# KiCad board FrontEnd_5G.kicad_pcb (continued)
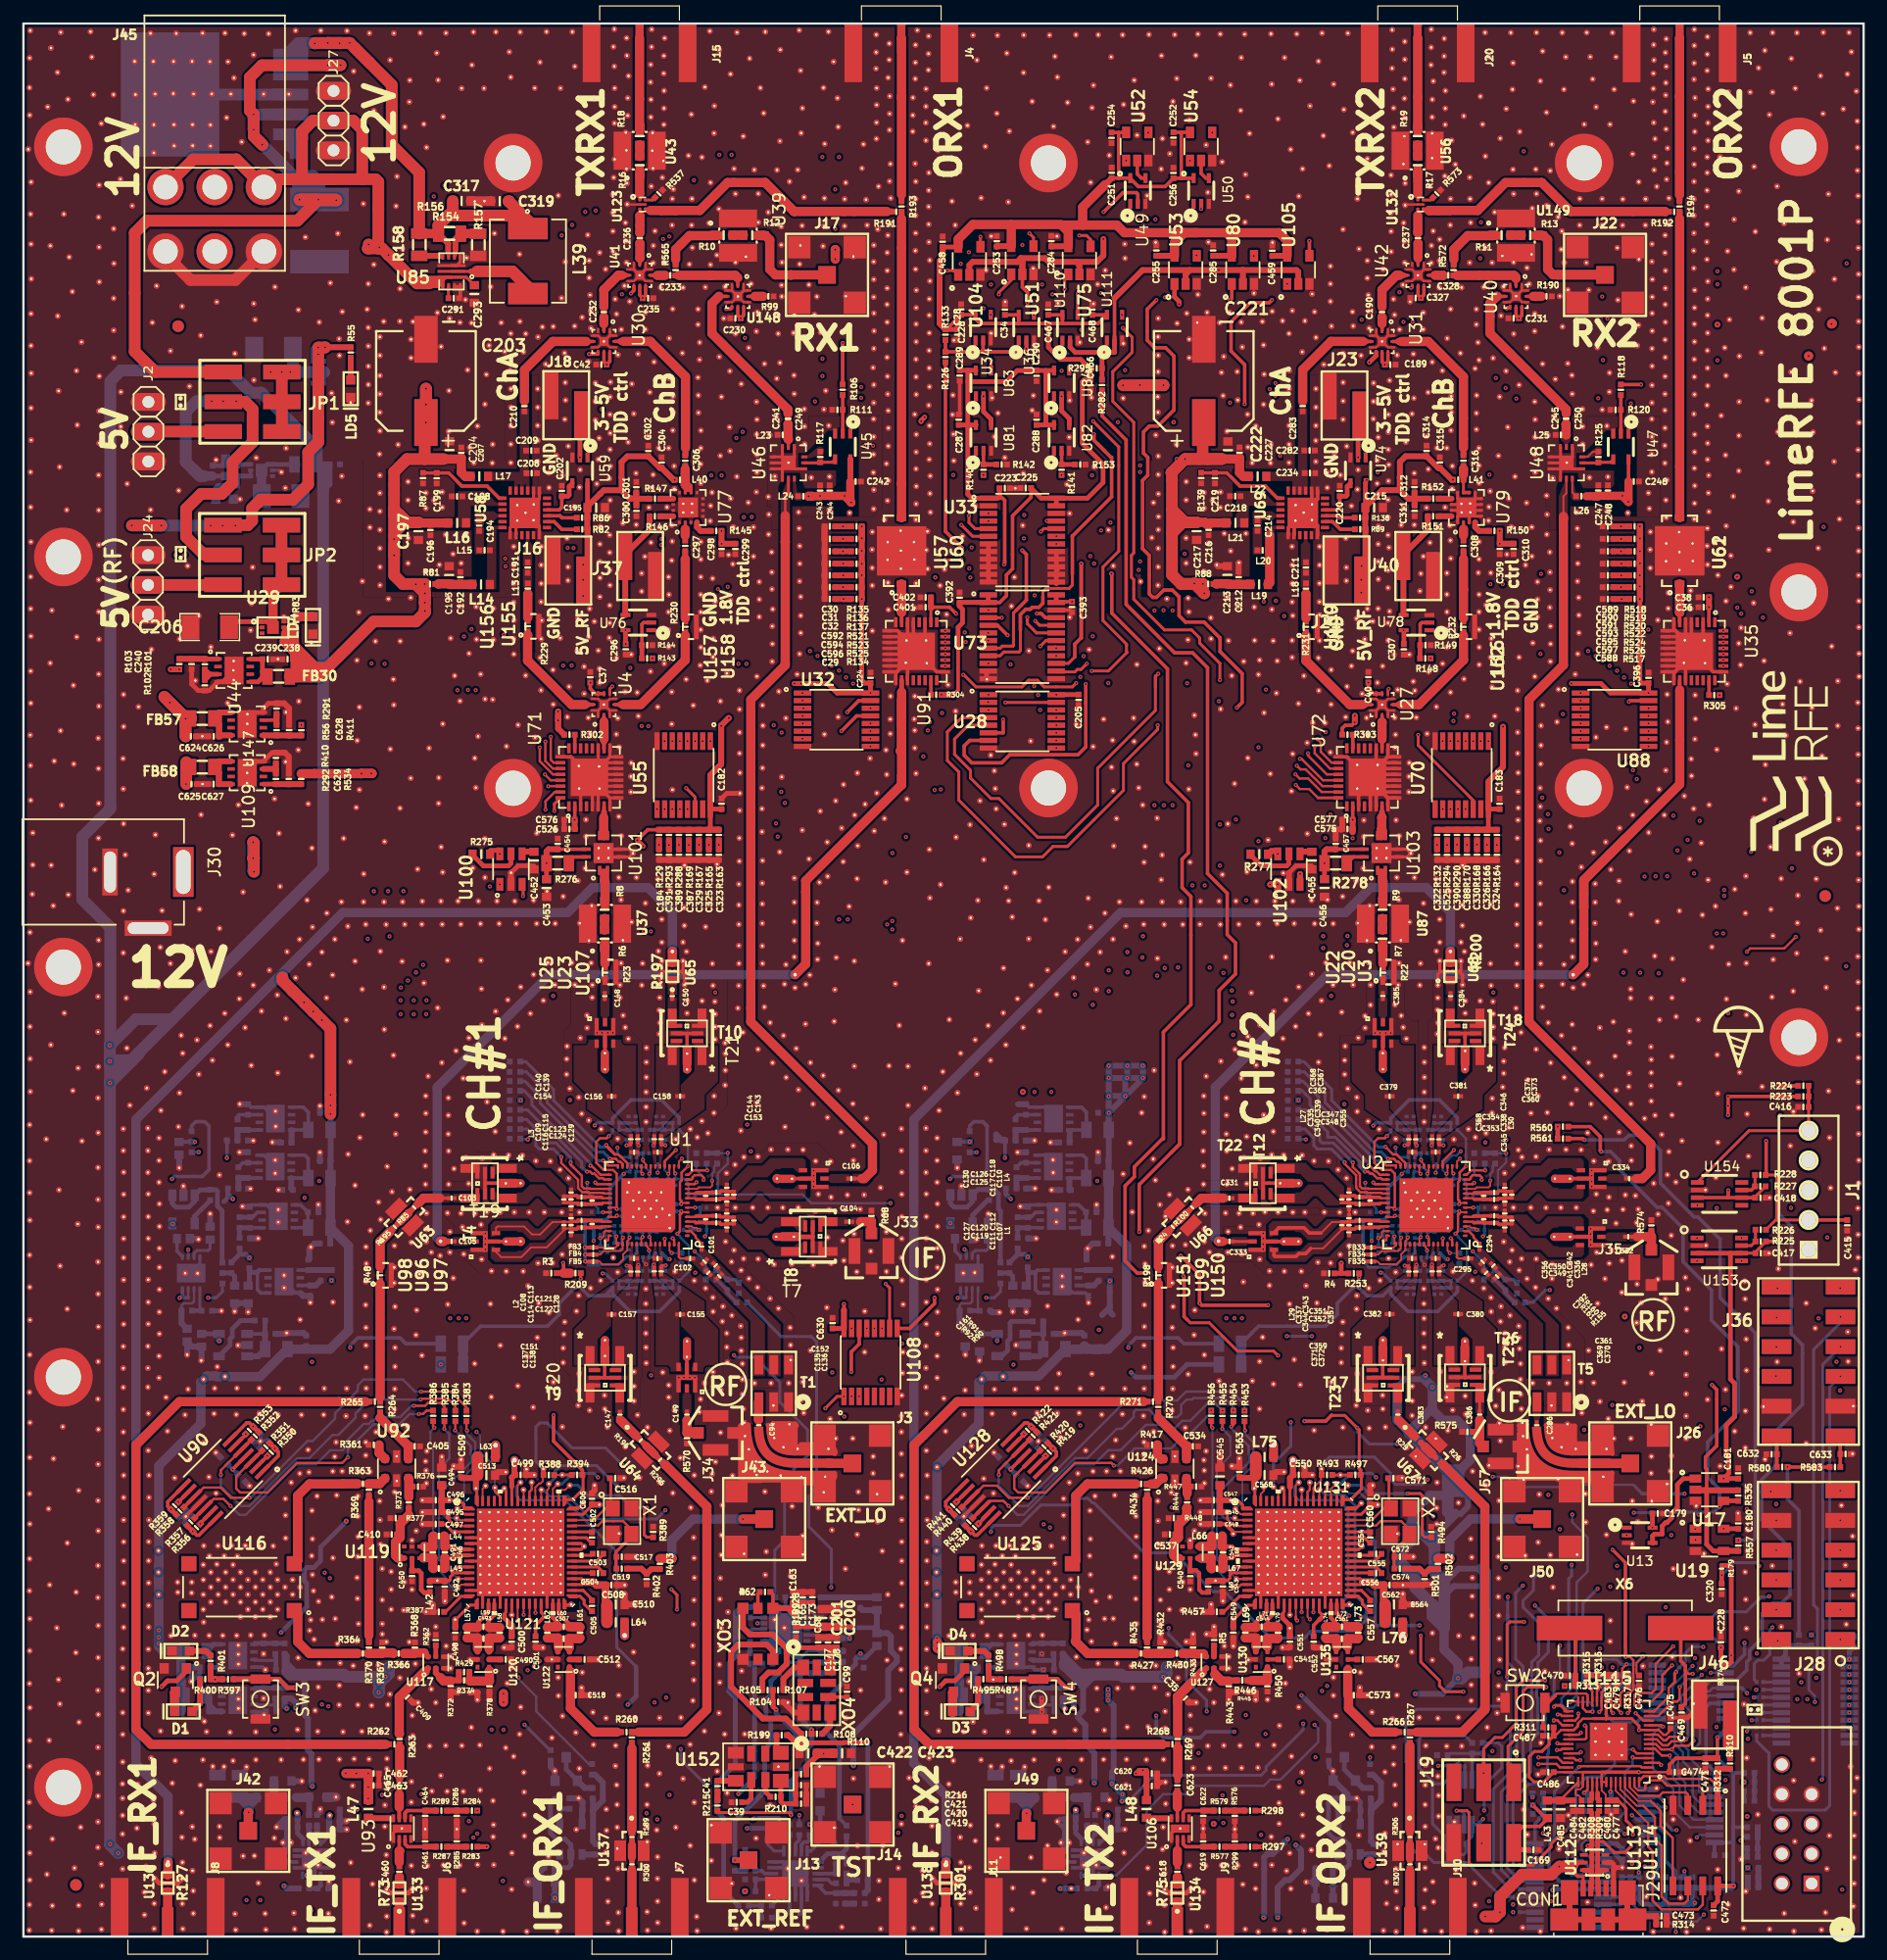
[diagram p0: board, top side]
## Placement (name value [footprint] x y rotation side) (continued)
Ref**#3093  Val**  [VIA_600_400]  3.7 121.75 0 top
Ref**#3094  Val**  [VIA_600_400]  2.63 100.32 0 top
Ref**#3095  Val**  [VIA_600_400]  4.3 100.07 0 top
Ref**#3096  Val**  [VIA_600_400]  4.55 110.91 0 top
Ref**#3097  Val**  [VIA_600_400]  4.27 106.78 0 top
Ref**#3098  Val**  [VIA_600_400]  2.43 113.18 0 top
Ref**#3099  Val**  [VIA_600_400]  3.17 102.91 0 top
Ref**#3100  Val**  [VIA_600_400]  3.27 96.55 0 top
Ref**#3101  Val**  [VIA_600_400]  3.8 156.79 0 top
Ref**#3102  Val**  [VIA_600_400]  5.84 160.4 0 top
Ref**#3103  Val**  [VIA_600_400]  3.19 162.51 0 top
Ref**#3104  Val**  [VIA_600_400]  11.01 137.74 0 top
Ref**#3105  Val**  [VIA_600_400]  2.07 156.15 0 top
Ref**#3106  Val**  [VIA_600_400]  15.14 136.64 0 top
Ref**#3107  Val**  [VIA_600_400]  19.78 137.99 0 top
Ref**#3108  Val**  [VIA_600_400]  81.07 25.7 0 bottom
Ref**#3109  Val**  [VIA_600_400]  82.29 25.69 0 bottom
Ref**#3110  Val**  [VIA_600_400]  83.45 25.69 0 bottom
Ref**#3111  Val**  [VIA_600_400]  84.64 25.69 0 bottom
Ref**#3112  Val**  [VIA_600_400]  85.84 25.72 0 bottom
Ref**#3113  Val**  [VIA_600_400]  87.01 25.72 0 bottom
Ref**#3114  Val**  [VIA_600_400]  109.53 4.65 90 bottom
Ref**#3115  Val**  [VIA_600_400]  113.85 11.81 90 bottom
Ref**#3116  Val**  [VIA_600_400]  85.49 14.48 0 bottom
Ref**#3117  Val**  [VIA_600_400]  83.57 14.5 0 bottom
Ref**#3118  Val**  [VIA_600_400]  82.61 14.52 0 bottom
Ref**#3119  Val**  [VIA_600_400]  92.74 11.67 270 bottom
Ref**#3120  Val**  [VIA_600_400]  90.22 13.26 0 bottom
Ref**#3121  Val**  [VIA_600_400]  94.04 9.14 270 bottom
Ref**#3122  Val**  [VIA_600_400]  89.29 8.01 270 bottom
Ref**#3123  Val**  [VIA_600_400]  88.59 8.01 270 bottom
Ref**#3124  Val**  [VIA_600_400]  92.6 10.34 270 bottom
Ref**#3125  Val**  [VIA_600_400]  91.79 10.87 270 bottom
Ref**#3126  Val**  [VIA_600_400]  89.04 5.42 270 bottom
Ref**#3127  Val**  [VIA_600_400]  92.62 4.24 270 bottom
Ref**#3128  Val**  [VIA_600_400]  91.61 7.14 270 bottom
Ref**#3129  Val**  [VIA_600_400]  91.61 6.1 270 bottom
Ref**#3130  Val**  [VIA_600_400]  90.56 6.1 270 bottom
Ref**#3131  Val**  [VIA_600_400]  90.56 7.14 270 bottom
Ref**#3132  Val**  [VIA_600_400]  89.85 10.81 270 bottom
Ref**#3133  Val**  [VIA_600_400]  89.47 4.1 270 bottom
Ref**#3134  Val**  [VIA_600_400]  111.82 14.13 90 bottom
Ref**#3135  Val**  [VIA_600_400]  84.8 21.07 0 bottom
Ref**#3136  Val**  [VIA_600_400]  84.8 20.27 0 bottom
Ref**#3137  Val**  [VIA_600_400]  84.8 19.47 0 bottom
Ref**#3138  Val**  [VIA_600_400]  84.8 23.27 0 bottom
Ref**#3139  Val**  [VIA_600_400]  84.8 24.07 0 bottom
Ref**#3140  Val**  [VIA_600_400]  84.8 24.87 0 bottom
Ref**#3141  Val**  [VIA_600_400]  133.38 37.79 180 bottom
Ref**#3142  Val**  [VIA_600_400]  84.48 53.33 0 bottom
Ref**#3143  Val**  [VIA_600_400]  85.63 53.3 0 bottom
Ref**#3144  Val**  [VIA_600_400]  90.95 54.09 0 bottom
Ref**#3145  Val**  [VIA_600_400]  90.87 58.72 0 bottom
Ref**#3146  Val**  [VIA_600_400]  90.06 52.65 0 bottom
Ref**#3147  Val**  [VIA_600_400]  81.63 49.15 0 bottom
Ref**#3148  Val**  [VIA_600_400]  80.43 49.65 0 bottom
Ref**#3149  Val**  [VIA_600_400]  88.91 51.51 0 bottom
Ref**#3150  Val**  [VIA_600_400]  84.75 50.48 0 bottom
Ref**#3151  Val**  [VIA_600_400]  79.74 65.6 0 bottom
Ref**#3152  Val**  [VIA_600_400]  83.35 53.27 0 bottom
Ref**#3153  Val**  [VIA_600_400]  80.77 21.77 0 bottom
Ref**#3154  Val**  [VIA_600_400]  81.09 18.33 0 bottom
Ref**#3155  Val**  [VIA_600_400]  20.58 25.72 0 bottom
Ref**#3156  Val**  [VIA_600_400]  19.41 25.72 0 bottom
Ref**#3157  Val**  [VIA_600_400]  18.21 25.69 0 bottom
Ref**#3158  Val**  [VIA_600_400]  17.02 25.69 0 bottom
Ref**#3159  Val**  [VIA_600_400]  15.86 25.69 0 bottom
Ref**#3160  Val**  [VIA_600_400]  14.64 25.7 0 bottom
Ref**#3161  Val**  [VIA_600_400]  16.17 14.52 0 bottom
Ref**#3162  Val**  [VIA_600_400]  17.13 14.5 0 bottom
Ref**#3163  Val**  [VIA_600_400]  19.05 14.48 0 bottom
Ref**#3164  Val**  [VIA_600_400]  22.15 8.02 270 bottom
Ref**#3165  Val**  [VIA_600_400]  22.85 8.02 270 bottom
Ref**#3166  Val**  [VIA_600_400]  26.16 10.34 270 bottom
Ref**#3167  Val**  [VIA_600_400]  23.37 10.55 270 bottom
Ref**#3168  Val**  [VIA_600_400]  20.51 20.33 0 bottom
Ref**#3169  Val**  [VIA_600_400]  20.55 18.91 0 bottom
Ref**#3170  Val**  [VIA_600_400]  14.33 21.77 0 bottom
Ref**#3171  Val**  [VIA_600_400]  20.66 22.77 0 bottom
Ref**#3172  Val**  [VIA_600_400]  15.45 18.36 0 bottom
SW2  SW_PUSH  [B3U-1000P]  128.22 19.96 0 top
SW3  SW_PUSH  [B3U-1000P]  20.24 20.27 90 top
SW4  SW_PUSH  [B3U-1000P]  86.68 20.27 90 top
T1  TR_TCM1-83X+  [TCM1-63AX+]  64.07 47.21 180 top
T2  -  [NCR2-113+]  39.44 59.32 270 top
T3  -  [NCR2-113+]  67.48 64.69 90 top
T4  TR_TC1-1-13M+  [TC1-1-13M+]  39.72 64.29 90 top
T5  TR_TCM1-83X+  [TCM1-63AX+]  130.51 47.21 180 top
T6  -  [NCR2-113+]  49.66 77.12 180 top
T7  TR_5400BL15B050  [5400BL15B050]  67.4 59.73 0 top
T8  TR_TC1-1-13M+  [TC1-1-13M+]  67.1 59.74 270 top
T9  TR_TC1-1-13M+  [TC1-1-13M+]  49.65 47.99 180 top
T10  TR_TC1-1-13M+  [TC1-1-13M+]  56.67 76.78 0 top
T11  -  [NCR2-113+]  56.65 47.7 0 top
T12  TR_TC1-1-13M+  [TC1-1-13M+]  106.14 64.29 90 top
T13  -  [NCR2-113+]  105.87 59.32 270 top
T14  -  [NCR2-113+]  133.91 64.69 90 top
T15  -  [NCR2-113+]  116.09 77.12 180 top
T16  -  [NCR2-113+]  133.82 59.72 90 top
T17  TR_TC1-1-13M+  [TC1-1-13M+]  116.08 47.99 180 top
T18  TR_TC1-1-13M+  [TC1-1-13M+]  123.1 76.78 0 top
T19  TR_5400BL15B050  [5400BL15B050]  39.41 64.29 180 top
T20  TR_5400BL15B050  [5400BL15B050]  49.66 47.69 270 top
T21  TR_5400BL15B050  [5400BL15B050]  56.67 77.08 90 top
T22  TR_5400BL15B050  [5400BL15B050]  105.84 64.29 180 top
T23  TR_5400BL15B050  [5400BL15B050]  116.09 47.69 270 top
T24  TR_5400BL15B050  [5400BL15B050]  123.1 77.08 90 top
T25  TR_5400BL15B050  [5400BL15B050]  123.09 47.73 270 top
T26  TR_TC1-1-13M+  [TC1-1-13M+]  123.08 47.99 180 top
U1  -  [LMS8001]  53.36 62.41 180 top
U2  -  [LMS8001]  119.8 62.41 180 top
U3  PAT1220-C-6DB-T5  [PAT1220-C-3DB-T5]  116.56 82.31 90 top
U4  -  [SKY13330-397LF]  49.57 105.14 90 top
U5  AP7361  [U-DFN3030-8#2]  21.52 69.81 0 bottom
U6  AP7361  [U-DFN3030-8#2]  21.5 65.71 0 bottom
U7  AP7361  [U-DFN3030-8#2]  21.76 61.47 0 bottom
U8  AP7361  [U-DFN3030-8#2]  22.26 55.9 180 bottom
U9  -  [NCP164CSN330T1G]  13.67 62.06 270 bottom
U10  -  [ADM7155]  14.32 56.62 270 bottom
U11  -  [SN74HCS594QPWRQ1]  141.5 10.3 0 bottom
U12  -  [SN74HCS594QPWRQ1]  142.41 20.89 0 bottom
U13  -  [SN74LV1T04]  138.01 34.25 0 top
U14  NCP349  [6-DFN]  25.18 133.5 90 bottom
U15  NCP349  [6-DFN]  20.34 125.14 180 bottom
U16  -  [NCP164CSN330T1G]  17.9 50.48 180 bottom
U17  -  [MC74VHC1G126DBVT1G]  143.97 38.14 0 top
U18  ADF4002  [LFCSP 20]  65.92 5.38 90 bottom
U19  -  [MC74VHC1G126DBVT1G]  143.98 33.86 0 top
U20  NF_PAT1220-C-3DB-T5  [PAT1220-C-3DB-T5]  116.56 82.31 90 top
U21  -  [NB3H83905CMNG]  65.06 26.23 0 bottom
U22  NF_PAT1220-C-10DB-T5  [PAT1220-C-6DB-T5]  116.56 82.31 90 top
U23  NF_PAT1220-C-3DB-T5  [PAT1220-C-3DB-T5]  50.13 82.31 90 top
U24  -  [SN74LVC8T245QPWRQ1]  131.97 4.36 180 bottom
U25  NF_PAT1220-C-10DB-T5  [PAT1220-C-6DB-T5]  50.13 82.31 90 top
U26  AP7361  [U-DFN3030-8]  84.75 23.97 90 bottom
U27  -  [SKY13330-397LF]  116.02 105.14 90 top
U28  -  [SN74HCS594QPWRQ1]  85.3 103.71 0 top
U29  NCP349  [6-DFN]  21.31 111.72 0 top
U30  -  [SKY13330-397LF]  49.57 136.13 270 top
U31  -  [SKY13330-397LF]  116.02 136.12 270 top
U32  -  [SN74HCS594QPWRQ1]  69.43 103.85 0 top
U33  -  [SN74LVC8T245QPWRQ1]  85.3 119.18 0 top
U34  -  [SN74LV1T04]  81.95 137.31 90 top
U35  -  [F1956NBGI8]  142.68 109.69 270 top
U36  -  [SN74LV1T34]  85.64 137.31 90 top
U37  -  [BFCV-4085+]  49.66 86.44 90 top
U38  -  [SN74LVC8T245QPWRQ1]  153.01 20.09 180 bottom
U39  -  [SKY13330-397LF]  61 139.98 270 top
U40  -  [SKY13330-397LF]  127.45 139.98 270 top
U41  -  [SKY13330-397LF]  52.63 141.78 270 top
U42  -  [SKY13330-397LF]  119.08 141.78 270 top
U43  -  [BFCV-4085+]  52.62 152.41 90 top
U44  AP7361  [U-DFN3030-8]  17.99 108.05 90 top
U45  -  [SN74LV1T34]  69.96 127.17 270 top
U46  -  [TSS-53LNB3+]  65.32 125.77 270 top
U47  -  [SN74LV1T34]  136.4 127.17 270 top
U48  -  [TSS-53LNB3+]  131.75 125.77 270 top
U49  -  [SN74LV1T04]  95.16 148.97 90 top
U50  -  [SN74LV1T04]  100.57 148.97 90 top
U51  -  [MC74VHC1G08DTT1G]  85.3 143.06 90 top
U52  -  [MC74VHC1G08DTT1G]  95.11 152.77 90 top
U53  -  [MC74VHC1G08DTT1G]  99.24 142.24 90 top
U54  -  [MC74VHC1G08DTT1G]  100.56 152.77 90 top
U55  -  [SN74HCS594QPWRQ1]  56.38 99.12 270 top
U56  -  [BFCV-4085+]  119.05 152.41 90 top
U57  -  [PAT3060H-C-10DB-T1]  74.98 118.26 90 top
U58  -  [MMZ38333BT1]  42.81 121.5 90 top
U59  -  [SN74LV1T34]  47.52 125.13 270 top
U60  NF_PAT3060H-C-1DB-T1  [PAT3060H-C-1DB-T1]  74.98 118.26 90 top
U61  -  [PAT3060H-C-10DB-T1]  141.42 118.26 90 top
U62  NF_PAT3060H-C-1DB-T1  [PAT3060H-C-1DB-T1]  141.42 118.26 90 top
U63  -  [BFCN-1860+]  32.54 61.4 45 top
U64  -  [BFCN-1860+]  53.54 41.52 315 top
U65  -  [DEA161953BT-2303B1-H]  55.41 82.37 90 top
U66  -  [BFCN-1860+]  98.97 61.4 45 top
U67  -  [BFCN-1860+]  119.96 41.51 315 top
U68  -  [DEA161953BT-2303B1-H]  121.84 82.37 90 top
U69  -  [MMZ38333BT1]  109.24 121.5 90 top
U70  -  [SN74HCS594QPWRQ1]  122.82 99.12 270 top
U71  -  [F1956NBGI8]  48.33 98.93 90 top
U72  -  [F1956NBGI8]  114.76 98.93 90 top
U73  -  [SN74LVC8T245QPWRQ1]  85.29 110.93 0 top
U74  -  [SN74LV1T34]  113.96 125.14 270 top
U75  -  [MC74VHC1G08DTT1G]  90.17 143.05 90 top
U76  -  [SN74LV1T34]  52.51 112.14 180 top
U77  QPA9122M  [QPA9122MTR7]  56.76 121.96 90 top
U78  -  [SN74LV1T34]  118.95 112.14 180 top
U79  QPA9122M  [QPA9122MTR7]  123.21 121.97 90 top
U80  -  [MC74VHC1G08DTT1G]  104.13 142.24 90 top
U81  -  [SN74LV1T04]  81.98 127.9 90 top
U82  -  [SN74LV1T04]  88.65 127.9 90 top
U83  -  [SN74LV1T04]  81.98 132.55 90 top
U84  -  [SN74LV1T04]  88.65 132.55 90 top
U85  -  [TPS62136RGXT]  36.56 142.11 180 top
U86  -  [NCP59301DS50R4G]  16.32 157.2 0 bottom
U87  -  [BFCV-4085+]  116.09 86.44 90 top
U88  -  [SN74HCS594QPWRQ1]  135.87 103.85 0 top
U89  AP7361  [U-DFN3030-8]  84.75 20.17 90 bottom
U90  NF_LMV324QDRG4  [LMV324QDRG4]  17.04 39.06 225 top
U91  -  [F1956NBGI8]  76.24 109.69 270 top
U92  -  [BDCN-7-25+]  31.87 39.94 180 top
U93  -  [TQL9063]  32.34 9.21 90 top
U94  AP7361  [U-DFN3030-8]  18.31 23.97 90 bottom
U95  AP7361  [U-DFN3030-8]  18.31 20.17 90 bottom
U96  -  [PAT1220-C-3DB-T5]  30.93 56.44 90 top
U97  NF_PAT1220-C-10DB-T5  [PAT1220-C-10DB-T5]  30.93 56.44 90 top
U98  NF_PAT1220-C-6DB-T5  [PAT1220-C-6DB-T5]  30.93 56.44 90 top
U99  -  [PAT1220-C-3DB-T5]  97.39 56.44 90 top
U100  TPS22810DBVR  [SOT23_TPS22810DBVR]  41.63 91.1 90 top
U101  -  [MNA-7A+]  49.54 92.47 90 top
U102  TPS22810DBVR  [SOT23_TPS22810DBVR]  108.06 91.1 90 top
U103  -  [MNA-7A+]  115.97 92.47 90 top
U104  -  [MC74VHC1G08DTT1G]  80.77 143.01 90 top
U105  -  [MC74VHC1G08DTT1G]  108.86 142.24 90 top
U106  -  [TQL9063]  98.78 9.21 90 top
U107  PAT1220-C-6DB-T5  [PAT1220-C-3DB-T5]  50.13 82.31 90 top
U108  -  [SN74HCS594QPWRQ1]  72.34 49 90 top
U109  AP7361  [U-DFN3030-8]  19.11 99.32 270 top
U110  -  [SN74LV1T04]  89.37 137.3 90 top
U111  -  [SN74LV1T34]  93.17 137.31 90 top
U112  NUP2202W1T2G  [SC-88-6_NUP2202W1T2G]  134.16 6.32 90 top
U113  NF_W25Q128JVSIM  [W25Q128JVSIM]  142.76 7.76 270 top
U114  -  [AT25SF128A-MHB-T]  142.76 7.76 270 top
U115  RP2040  [RPI_Chip_RP2040_7_500]  135.36 16.63 180 top
U116  -  [XDL15-2-020S]  18.63 29.82 180 top
U117  -  [DC1722J5010AHF]  35.21 23.39 180 top
U118  NF_TMP36GRTZ-REEL7  [TMP36GRTZ-REEL7]  46.75 8.31 90 bottom
U119  -  [BD1722J50100AHF]  33.18 32.79 180 top
U120  -  [BD1722J50100AHF]  39.27 23.65 270 top
U121  SC1905  [SC1905A-00A00]  42.46 32.79 0 top
U122  -  [BD1722J50100AHF]  46.13 23.65 270 top
U123  -  [HHM2955A1]  52.86 147.82 90 top
U124  -  [BDCN-7-25+]  98.32 39.93 180 top
U125  -  [XDL15-2-020S]  85.07 29.82 180 top
U126  NF_TMP36GRTZ-REEL7  [TMP36GRTZ-REEL7]  113.2 8.31 90 bottom
U127  -  [DC1722J5010AHF]  101.66 23.4 180 top
U128  NF_LMV324QDRG4  [LMV324QDRG4]  83.48 39.06 225 top
U129  -  [BD1722J50100AHF]  99.63 32.79 180 top
U130  -  [BD1722J50100AHF]  105.73 23.65 270 top
U131  SC1905  [SC1905A-00A00]  108.9 32.79 0 top
U132  -  [HHM2955A1]  119.29 147.82 90 top
U133  -  [DEA161953BT-2303B1-H]  32.1 3.72 90 top
U134  -  [DEA161953BT-2303B1-H]  98.53 3.72 90 top
U135  -  [BD1722J50100AHF]  112.59 23.65 270 top
U136  -  [DEA161953BT-2303B1-H]  12.32 4.57 270 top
U137  -  [BFCN-1860+]  51.96 7.33 270 top
U138  -  [DEA161953BT-2303B1-H]  78.76 4.57 270 top
U139  -  [BFCN-1860+]  118.39 7.33 270 top
U140  AP7361  [U-DFN3030-8]  87.94 65.71 270 bottom
U141  AP7361  [U-DFN3030-8]  88.2 61.47 270 bottom
U142  AP7361  [U-DFN3030-8]  87.96 69.81 270 bottom
U143  AP7361  [U-DFN3030-8]  88.7 55.9 90 bottom
U144  -  [ADM7155]  80.76 56.62 270 bottom
U145  -  [NCP164CSN330T1G]  84.35 50.49 180 bottom
U146  -  [NCP164CSN330T1G]  80.1 62.09 270 bottom
U147  AP7361  [U-DFN3030-8]  19.11 103.49 270 top
U148  -  [BFCV-4085+]  61.02 145.16 0 top
U149  -  [BFCV-4085+]  127.45 145.16 0 top
U150  NF_PAT1220-C-10DB-T5  [PAT1220-C-10DB-T5]  97.39 56.44 90 top
U151  NF_PAT1220-C-6DB-T5  [PAT1220-C-6DB-T5]  97.39 56.44 90 top
U152  NF_TX-801_40.000_MHz  [SMD_TX-801]  62.75 14.49 180 top
U153  -  [TCA9406DCTR]  144.81 58.65 0 top
U154  -  [TCA9406DCTR]  144.83 63.39 0 top
U155  NF_PAT1220-C-2DB-T5  [PAT1220-C-2DB-T5]  43.54 111.81 90 top
U156  NF_PAT1220-C-3DB-T5  [PAT1220-C-3DB-T5]  43.54 111.81 90 top
U157  PAT1220-C-4DB-T5  [PAT1220-C-2DB-T5]  56.99 111.77 90 top
U158  NF_PAT1220-C-3DB-T5  [PAT1220-C-3DB-T5]  56.99 111.77 90 top
U159  NF_PAT1220-C-2DB-T5  [PAT1220-C-2DB-T5]  109.99 111.77 90 top
U160  NF_PAT1220-C-3DB-T5  [PAT1220-C-3DB-T5]  109.99 111.77 90 top
U161  PAT1220-C-4DB-T5  [PAT1220-C-2DB-T5]  123.44 111.77 90 top
U162  NF_PAT1220-C-3DB-T5  [PAT1220-C-3DB-T5]  123.44 111.77 90 top
U163  -  [SN74LVC2T45DCTT]  122.73 11.46 90 bottom
VAL  REF  [TL_C_5x5]  131.79 42.77 0 top
VAL#2  REF  [TL_I_5]  134.46 40.28 90 top
VAL#3  REF  [TL_C_5x5]  65.36 42.77 0 top
VAL#4  REF  [TL_I_5]  66.93 40.53 270 top
X1  830108207209  [278-20.0M-20-W-TR]  51.12 35.45 270 top
X2  830108207209  [278-20.0M-20-W-TR]  117.56 35.45 270 top
X6  -  [ABLS-12.000MHZ-B4-T]  136.77 26.33 180 top
XO3  NF_RPT5032A  [RPT5032A]  62.72 25.84 270 top
XO4  RTX5032A_40.000_MHZ  [SMD_RTX5032A]  67.74 21.04 270 top

## Footprints (pads in the part's own frame, mm; a bottom-side part is the same pattern mirrored in y, then rotated)
6-DFN
  rect 0.43x0.32 smd: 1(-0.935,0.5) 2(-0.935,0) 3(-0.935,-0.5) 4(0.935,-0.5) 5(0.935,0) 6(0.935,0.5)
  rect 1x1.1 smd: 1(0,0)
278-20.0M-20-W-TR
  rect 1.4x1.2 smd: 1(-1.1,-0.8) 2(1.1,-0.8) 3(1.1,0.8) 4(-1.1,0.8)
5400BL15B050
  rect 0.35x1 smd: 1(0.65,0.9) 2(0,0.9) 3(-0.65,0.9) 4(-0.65,-0.9) 5(0,-0.9) 6(0.65,-0.9)
0353180620
  round 3.1 hole 2.1: 1(4.2,-2.75) 2(0,-2.75) 3(-4.2,-2.75) 4(4.2,2.75) 5(0,2.75) 6(-4.2,2.75)
ABLS-12.000MHZ-B4-T
  rect 5.6x2.1 smd: 1(-4.75,0) 2(4.75,0)
AD5513
  rect 0.6x0.3 smd: 1(-1.4,0.75) 2(-1.4,0.25) 3(-1.4,-0.25) 4(-1.4,-0.75) 9(1.4,-0.75) 10(1.4,-0.25) 11(1.4,0.25) 12(1.4,0.75)
  rect 0.3x0.5 smd: 5(-0.75,-1.4) 6(-0.25,-1.4) 7(0.25,-1.4) 8(0.75,-1.4) 13(0.75,1.4) 14(0.25,1.4) 15(-0.25,1.4) 16(-0.75,1.4)
  rect 1.75x1.75 smd: 10(0,0)
ADM7155
  rect 0.4x0.25 smd: 1(-1.425,0.75) 2(-1.425,0.25) 3(-1.425,-0.25) 4(-1.425,-0.75) 5(1.425,-0.75) 6(1.425,-0.25) 7(1.425,0.25) 8(1.425,0.75)
  round 0.25 smd: 1(-1.225,0.75) 2(-1.225,0.25) 3(-1.225,-0.25) 4(-1.225,-0.75) 5(1.225,-0.75) 6(1.225,-0.25) 7(1.225,0.25) 8(1.225,0.75)
  rect 1.6x2.44 smd: PAD(0,0)
AT25SF128A-MHB-T
  rect 1.6x0.55 smd: 1(-3.44,1.905) 2(-3.44,0.635) 3(-3.44,-0.635) 4(-3.44,-1.905) 5(3.44,-1.905) 6(3.44,-0.635) 7(3.44,0.635) 8(3.44,1.905)
B3U-1000P
  rect 0.8x1.7 smd: 1(-1.7,0) 2(1.7,0)
BD1722J50100AHF
  rect 0.41x0.33 smd: 1(0.66,0.495) 2(0,0.495) 3(-0.66,0.495) 4(-0.66,-0.495) 5(0,-0.495) 6(0.66,-0.495)
BDCN-7-25+
  rect 0.61x0.67 smd: 1(0.99,0.825) 3(-0.99,0.825) 4(-0.99,-0.825) 6(0.99,-0.825)
  rect 0.61x1.07 smd: 2(0,1.025) 5(0,-1.025)
BFCN-1860+
  rect 1x0.6 smd: 1(-1.8,0) 3(1.8,0)
  rect 1.75x1 smd: 2(0,-1) 4(0,1)
BFCV-4085+
  rect 1.5x0.7 smd: 1(-1.9,0) 3(1.9,0)
  rect 3.25x1.5 smd: 2(0,-1.475) 4(0,1.475)
DC1722J5010AHF
  rect 0.41x0.33 smd: 1(0.66,0.495) 2(0,0.495) 3(-0.66,0.495) 4(-0.66,-0.495) 5(0,-0.495) 6(0.66,-0.495)
DEA161953BT-2303B1-H
  rect 0.28x0.55 smd: 1(-0.56,0) 3(0.56,0)
  rect 0.4x0.195 smd: 2(0,-0.203) 4(0,0.203)
EEE-FK1J101P
  rect 2x4 smd: 1(0,-3.55) 2(0,3.55)
F1956NBGI8
  rect 0.85x0.3 smd: 1(-2.475,1.75) 2(-2.475,1.25) 3(-2.475,0.75) 4(-2.475,0.25) 5(-2.475,-0.25) 6(-2.475,-0.75) 7(-2.475,-1.25) 8(-2.475,-1.75) 17(2.475,-1.75) 18(2.475,-1.25) 19(2.475,-0.75) 20(2.475,-0.25) 21(2.475,0.25) 22(2.475,0.75) 23(2.475,1.25) 24(2.475,1.75)
  rect 0.3x0.85 smd: 9(-1.75,-2.475) 10(-1.25,-2.475) 11(-0.75,-2.475) 12(-0.25,-2.475) 13(0.25,-2.475) 14(0.75,-2.475) 15(1.25,-2.475) 16(1.75,-2.475) 25(1.75,2.475) 26(1.25,2.475) 27(0.75,2.475) 28(0.25,2.475) 29(-0.25,2.475) 30(-0.75,2.475) 31(-1.25,2.475) 32(-1.75,2.475)
  rect 3.2x3.2 smd: 33(0,0)
Fiducial
  round 1 smd: 1(0,0)
  round 1 smd far side: 2(0,0)
GND_VIA
  round 0.5 hole 0.2: 1(0,0)
GND_VIA#3
  round 0.5 hole 0.2: (0,0)
GND_VIA#4
  round 0.5 hole 0.2: (-0.1,0)
GND_VIA#5
  round 0.5 hole 0.2: (0.06,0)
GND_VIA#6
  round 0.5 hole 0.2: (0,-5)
HHM2955A1
  rect 0.18x0.25 smd: 1(0.38,0.225) 2(0,0.225) 3(-0.38,0.225) 4(-0.38,-0.225) 5(0,-0.225) 6(0.38,-0.225)
IND_0402
  rect 0.356x0.658 smd: 1(-0.432,0) 2(0.432,0)
LED_0603
  rect 0.8x0.8 smd: 1(-0.75,0) 2(0.75,0)
LFCSP 20
  rect 0.95x0.3 smd: 1(-1.93,1.008) 2(-1.93,0.508) 3(-1.93,0.008) 4(-1.93,-0.493) 5(-1.93,-0.991) 11(1.92,-0.991) 12(1.92,-0.493) 13(1.92,0.008) 14(1.92,0.508) 15(1.92,1.008)
  rect 0.3x0.95 smd: 6(-1.001,-1.923) 7(-0.5,-1.923) 8(0,-1.923) 9(0.5,-1.923) 10(0.998,-1.923) 16(0.988,1.928) 17(0.49,1.928) 18(-0.01,1.928) 19(-0.511,1.928) 20(-1.011,1.928)
  rect 2.25x2.25 smd: 21(0,0)
LMS8001
  rect 0.2x0.2 smd: 1(-3.4,2.6) 2(-3.4,2.2) 3(-3.4,1.8) 4(-3.4,1.4) 5(-3.4,1) 6(-3.4,0.6) 7(-3.4,0.2) 8(-3.4,-0.2) 9(-3.4,-0.6) 10(-3.4,-1) 11(-3.4,-1.4) 12(-3.4,-1.8) 13(-3.4,-2.2) 14(-3.4,-2.6) 15(-2.6,-3.4) 16(-2.2,-3.4) 17(-1.8,-3.4) 18(-1.4,-3.4) 19(-1,-3.4) 20(-0.6,-3.4) 21(-0.2,-3.4) 22(0.2,-3.4) 23(0.6,-3.4) 24(1,-3.4) 25(1.4,-3.4) 26(1.8,-3.4) 27(2.2,-3.4) 28(2.6,-3.4) 29(3.4,-2.6) 30(3.4,-2.2) 31(3.4,-1.8) 32(3.4,-1.4) 33(3.4,-1) 34(3.4,-0.6) 35(3.4,-0.2) 36(3.4,0.2) 37(3.4,0.6) 38(3.4,1) 39(3.4,1.4) 40(3.4,1.8) 41(3.4,2.2) 42(3.4,2.6) 43(2.6,3.4) 44(2.2,3.4) 45(1.8,3.4) 46(1.4,3.4) 47(1,3.4) 48(0.6,3.4) 49(0.2,3.4) 50(-0.2,3.4) 51(-0.6,3.4) 52(-1,3.4) 53(-1.4,3.4) 54(-1.8,3.4) 55(-2.2,3.4) 56(-2.6,3.4)
  oval 0.4x0.2 smd: 1(-3.3,2.6) 2(-3.3,2.2) 3(-3.3,1.8) 4(-3.3,1.4) 5(-3.3,1) 6(-3.3,0.6) 7(-3.3,0.2) 8(-3.3,-0.2) 9(-3.3,-0.6) 10(-3.3,-1) 11(-3.3,-1.4) 12(-3.3,-1.8) 13(-3.3,-2.2) 14(-3.3,-2.6) 29(3.3,-2.6) 30(3.3,-2.2) 31(3.3,-1.8) 32(3.3,-1.4) 33(3.3,-1) 34(3.3,-0.6) 35(3.3,-0.2) 36(3.3,0.2) 37(3.3,0.6) 38(3.3,1) 39(3.3,1.4) 40(3.3,1.8) 41(3.3,2.2) 42(3.3,2.6)
  oval 0.2x0.4 smd: 15(-2.6,-3.3) 16(-2.2,-3.3) 17(-1.8,-3.3) 18(-1.4,-3.3) 19(-1,-3.3) 20(-0.6,-3.3) 21(-0.2,-3.3) 22(0.2,-3.3) 23(0.6,-3.3) 24(1,-3.3) 25(1.4,-3.3) 26(1.8,-3.3) 27(2.2,-3.3) 28(2.6,-3.3) 43(2.6,3.3) 44(2.2,3.3) 45(1.8,3.3) 46(1.4,3.3) 47(1,3.3) 48(0.6,3.3) 49(0.2,3.3) 50(-0.2,3.3) 51(-0.6,3.3) 52(-1,3.3) 53(-1.4,3.3) 54(-1.8,3.3) 55(-2.2,3.3) 56(-2.6,3.3)
  trapezoid 0.5x0.3 smd: PAD(-1.9,2.15)
  rect 4.6x4.3 smd: PAD(0,-0.15)
  rect 4.3x0.3 smd: PAD(0.15,2.15)
LMV324QDRG4
  rect 1.6x0.35 smd: 1(-2.8,1.95) 2(-2.8,1.3) 3(-2.8,0.65) 4(-2.8,0) 5(-2.8,-0.65) 6(-2.8,-1.3) 7(-2.8,-1.95) 8(2.8,-1.95) 9(2.8,-1.3) 10(2.8,-0.65) 11(2.8,0) 12(2.8,0.65) 13(2.8,1.3) 14(2.8,1.95)
MC74VHC1G08DTT1G
  rect 1x0.7 smd: 1(-1.2,0.95) 2(-1.2,0) 3(-1.2,-0.95) 4(1.2,-0.95) 5(1.2,0.95)
MC74VHC1G126DBVT1G
  rect 1x0.7 smd: 1(-1.2,0.95) 2(-1.2,0) 3(-1.2,-0.95) 4(1.2,-0.95) 5(1.2,0.95)
MMBT3904
  rect 0.8x0.9 smd: 1(-0.95,-1) 2(0.95,-1) 3(0,1)
MMZ38333BT1
  rect 2.6x2.6 smd: 0(0,0)
  rect 0.7x0.3 smd: 1(-1.9,1.25) 2(-1.9,0.75) 3(-1.9,0.25) 4(-1.9,-0.25) 5(-1.9,-0.75) 6(-1.9,-1.25) 13(1.9,-1.25) 14(1.9,-0.75) 15(1.9,-0.25) 16(1.9,0.25) 17(1.9,0.75) 18(1.9,1.25)
  rect 0.3x0.7 smd: 7(-1.25,-1.9) 8(-0.75,-1.9) 9(-0.25,-1.9) 10(0.25,-1.9) 11(0.75,-1.9) 12(1.25,-1.9) 19(1.25,1.9) 20(0.75,1.9) 21(0.25,1.9) 22(-0.25,1.9) 23(-0.75,1.9) 24(-1.25,1.9)
MNA-7A+
  rect 0.79x0.3 smd: 1(-1.485,0.33) 2(-1.485,-0.33) 5(1.485,-0.33) 6(1.485,0.33)
  rect 0.3x0.79 smd: 3(-0.33,-1.485) 4(0.33,-1.485) 7(0.33,1.485) 8(-0.33,1.485)
  rect 1.7x1.7 smd: 9(0,0)
Mounting Pad
  round 5 hole 3: 1(-12.59,-2.25)
Mounting Pad#2
  round 5 hole 3: 1(-11.45,-2.21)
Mounting Pad#3
  round 5 hole 3: 1(-11.81,-2.97)
Mounting Pad#4
  round 5 hole 3: 1(-12.39,-1.85)
Mounting Pad#5
  round 5 hole 3: 1(-11.41,-1.09)
Mounting Pad#6
  round 5 hole 3: 1(-10.9,-2.51)
Mounting Pad#7
  round 5 hole 3: 1(-10.766,-0.538)
Mounting Pad#8
  round 5 hole 3: 1(-11.31,-0.43)
Mounting Pad#9
  round 5 hole 3: 1(-10.94,-3.58)
NB3H83905CMNG
  rect 0.6x0.35 smd: 1(-1.85,1) 2(-1.85,0.5) 3(-1.85,0) 4(-1.85,-0.5) 5(-1.85,-1) 11(1.85,-1) 12(1.85,-0.5) 13(1.85,0) 14(1.85,0.5) 15(1.85,1)
  rect 0.35x0.6 smd: 6(-1,-1.85) 7(-0.5,-1.85) 8(0,-1.85) 9(0.5,-1.85) 10(1,-1.85) 16(1,1.85) 17(0.5,1.85) 18(0,1.85) 19(-0.5,1.85) 20(-1,1.85)
  rect 2.8x2.8 smd: 21(0,0)
NCP164CSN330T1G
  rect 1x0.7 smd: 1(-1.2,0.95) 2(-1.2,0) 3(-1.2,-0.95) 4(1.2,-0.95) 5(1.2,0.95)
NCP59301DS50R4G
  rect 3x1 smd: 1(6.5,-3.4) 2(6.5,-1.7) 3(6.5,0) 4(6.5,1.7) 5(6.5,3.4)
  rect 8.4x10.6 smd: 3(-3.8,0)
NCR2-113+
  rect 0.36x1.27 smd: 1(0.71,-0.635) 3(-0.71,-0.635) 5(0,0.635)
  rect 0.36x0.71 smd: 2(0,-0.915) 4(-0.71,0.915) 6(0.71,0.915)
  rect 1.78x0.41 smd: 5(0,0)
PAT1220-C-2DB-T5
  rect 0.7x0.4 smd: 1(-0.74,0.475) 2(0.74,0.475)
  rect 2.1x0.4 smd: 3(0,-0.475)
PAT1220-C-3DB-T5
  rect 0.7x0.4 smd: 1(-0.74,0.475) 2(0.74,0.475)
  rect 2.1x0.4 smd: 3(0,-0.475)
PAT1220-C-6DB-T5
  rect 0.7x0.4 smd: 1(-0.74,0.475) 2(0.74,0.475)
  rect 2.1x0.4 smd: 3(0,-0.475)
PAT1220-C-10DB-T5
  rect 0.7x0.4 smd: 1(-0.74,0.475) 2(0.74,0.475)
  rect 2.1x0.4 smd: 3(0,-0.475)
PAT3060H-C-1DB-T1
  rect 0.55x0.8 smd: 1(-2.825,0) 2(2.825,0)
  rect 4.2x4.2 smd: 3(0,0)
PAT3060H-C-10DB-T1
  rect 0.55x0.8 smd: 1(-2.815,-0.01) 2(2.825,0)
  rect 4.2x4.2 smd: 3(0.01,-0.01)
pin_header_1x3
  oval 1.524x2.995 hole 1.016: 1(-2.545,0) 2(-0.005,0) 3(2.535,0)
pin_header_1x5_0022292051
  rect 1.524x1.524 hole 1.25: 1(-5.08,0)
  round 1.7 hole 1.25: 2(-2.54,0) 3(0,0) 4(2.54,0) 5(5.08,0)
PINHEADER_2X3
  rect 3.2x1.27 smd: 1(-2.575,2.575) 2(2.426,2.575) 3(-2.575,0.035) 4(2.426,0.035) 5(-2.575,-2.505) 6(2.426,-2.505)
PMOD_CONN
  rect 2.54x1.27 smd: 1(-2.73,6.35) 2(-2.73,3.81) 3(-2.73,1.27) 4(-2.73,-1.27) 5(-2.73,-3.81) 6(-2.73,-6.35) 7(2.73,6.35) 8(2.73,3.81) 9(2.73,1.27) 10(2.73,-1.27) 11(2.73,-3.81) 12(2.73,-6.35)
QPA9122MTR7
  rect 0.3x0.25 smd: 1(-1.27,0.75) 2(-1.27,0.25) 3(-1.27,-0.25) 4(-1.27,-0.75) 9(1.27,-0.75) 10(1.27,-0.25) 11(1.27,0.25) 12(1.27,0.75)
  rect 0.25x0.3 smd: 5(-0.75,-1.27) 6(-0.25,-1.27) 7(0.25,-1.27) 8(0.75,-1.27) 13(0.75,1.27) 14(0.25,1.27) 15(-0.25,1.27) 16(-0.75,1.27)
  rect 1.7x1.7 smd: 17(0,0)
RAPC712X
  rect 4.25x1.75 hole 3.75x1.25: 1(0,6.25)
  rect 4x1.3 hole 3.5x1: 2(0,0)
  rect 1.3x4 hole 1x3.5: 2(4.8,3.25)
RPI_Chip_RP2040_7_500
  rect 0.875x0.2 smd: 1(-3.438,2.6) 2(-3.438,2.2) 3(-3.438,1.8) 4(-3.438,1.4) 5(-3.438,1) 6(-3.438,0.6) 7(-3.438,0.2) 8(-3.438,-0.2) 9(-3.438,-0.6) 10(-3.438,-1) 11(-3.438,-1.4) 12(-3.438,-1.8) 13(-3.438,-2.2) 14(-3.438,-2.6) 29(3.438,-2.6) 30(3.438,-2.2) 31(3.438,-1.8) 32(3.438,-1.4) 33(3.438,-1) 34(3.438,-0.6) 35(3.438,-0.2) 36(3.438,0.2) 37(3.438,0.6) 38(3.438,1) 39(3.438,1.4) 40(3.438,1.8) 41(3.438,2.2) 42(3.438,2.6)
  rect 0.2x0.875 smd: 15(-2.6,-3.438) 16(-2.2,-3.438) 17(-1.8,-3.438) 18(-1.4,-3.438) 19(-1,-3.438) 20(-0.6,-3.438) 21(-0.2,-3.438) 22(0.2,-3.438) 23(0.6,-3.438) 24(1,-3.438) 25(1.4,-3.438) 26(1.8,-3.438) 27(2.2,-3.438) 28(2.6,-3.438) 43(2.6,3.438) 44(2.2,3.438) 45(1.8,3.438) 46(1.4,3.438) 47(1,3.438) 48(0.6,3.438) 49(0.2,3.438) 50(-0.2,3.438) 51(-0.6,3.438) 52(-1,3.438) 53(-1.4,3.438) 54(-1.8,3.438) 55(-2.2,3.438) 56(-2.6,3.438)
  rect 3.2x3.2 smd: 57(0,0)
RPT5032A
  rect 0.95x0.95 smd: 1(-2.175,-1.275) 2(2.175,-1.275) 4(2.175,1.275) 5(-2.175,1.275)
  rect 0.95x0.8 smd: 3(2.175,0) 6(-2.175,0)
SC1905A-00A00
  rect 0.127x0.127 smd: 1(-4.381,3.75) 16(-4.381,-3.75) 17(-3.75,-4.381) 32(3.75,-4.381) 33(4.381,-3.75) 48(4.381,3.75) 49(3.75,4.381) 64(-3.75,4.381)
  rect 0.864x0.254 smd: 2(-4.381,3.25) 3(-4.381,2.75) 4(-4.381,2.25) 5(-4.381,1.75) 6(-4.381,1.25) 7(-4.381,0.75) 8(-4.381,0.25) 9(-4.381,-0.25) 10(-4.381,-0.75) 11(-4.381,-1.25) 12(-4.381,-1.75) 13(-4.381,-2.25) 14(-4.381,-2.75) 15(-4.381,-3.25) 34(4.381,-3.25) 35(4.381,-2.75) 36(4.381,-2.25) 37(4.381,-1.75) 38(4.381,-1.25) 39(4.381,-0.75) 40(4.381,-0.25) 41(4.381,0.25) 42(4.381,0.75) 43(4.381,1.25) 44(4.381,1.75) 45(4.381,2.25) 46(4.381,2.75) 47(4.381,3.25)
  rect 0.254x0.864 smd: 18(-3.25,-4.381) 19(-2.75,-4.381) 20(-2.25,-4.381) 21(-1.75,-4.381) 22(-1.25,-4.381) 23(-0.75,-4.381) 24(-0.25,-4.381) 25(0.25,-4.381) 26(0.75,-4.381) 27(1.25,-4.381) 28(1.75,-4.381) 29(2.25,-4.381) 30(2.75,-4.381) 31(3.25,-4.381) 50(3.25,4.381) 51(2.75,4.381) 52(2.25,4.381) 53(1.75,4.381) 54(1.25,4.381) 55(0.75,4.381) 56(0.25,4.381) 57(-0.25,4.381) 58(-0.75,4.381) 59(-1.25,4.381) 60(-1.75,4.381) 61(-2.25,4.381) 62(-2.75,4.381) 63(-3.25,4.381)
  rect 7.468x7.468 smd: 65(0,0)
